# KiCad board ev18.kicad_pcb (continued)
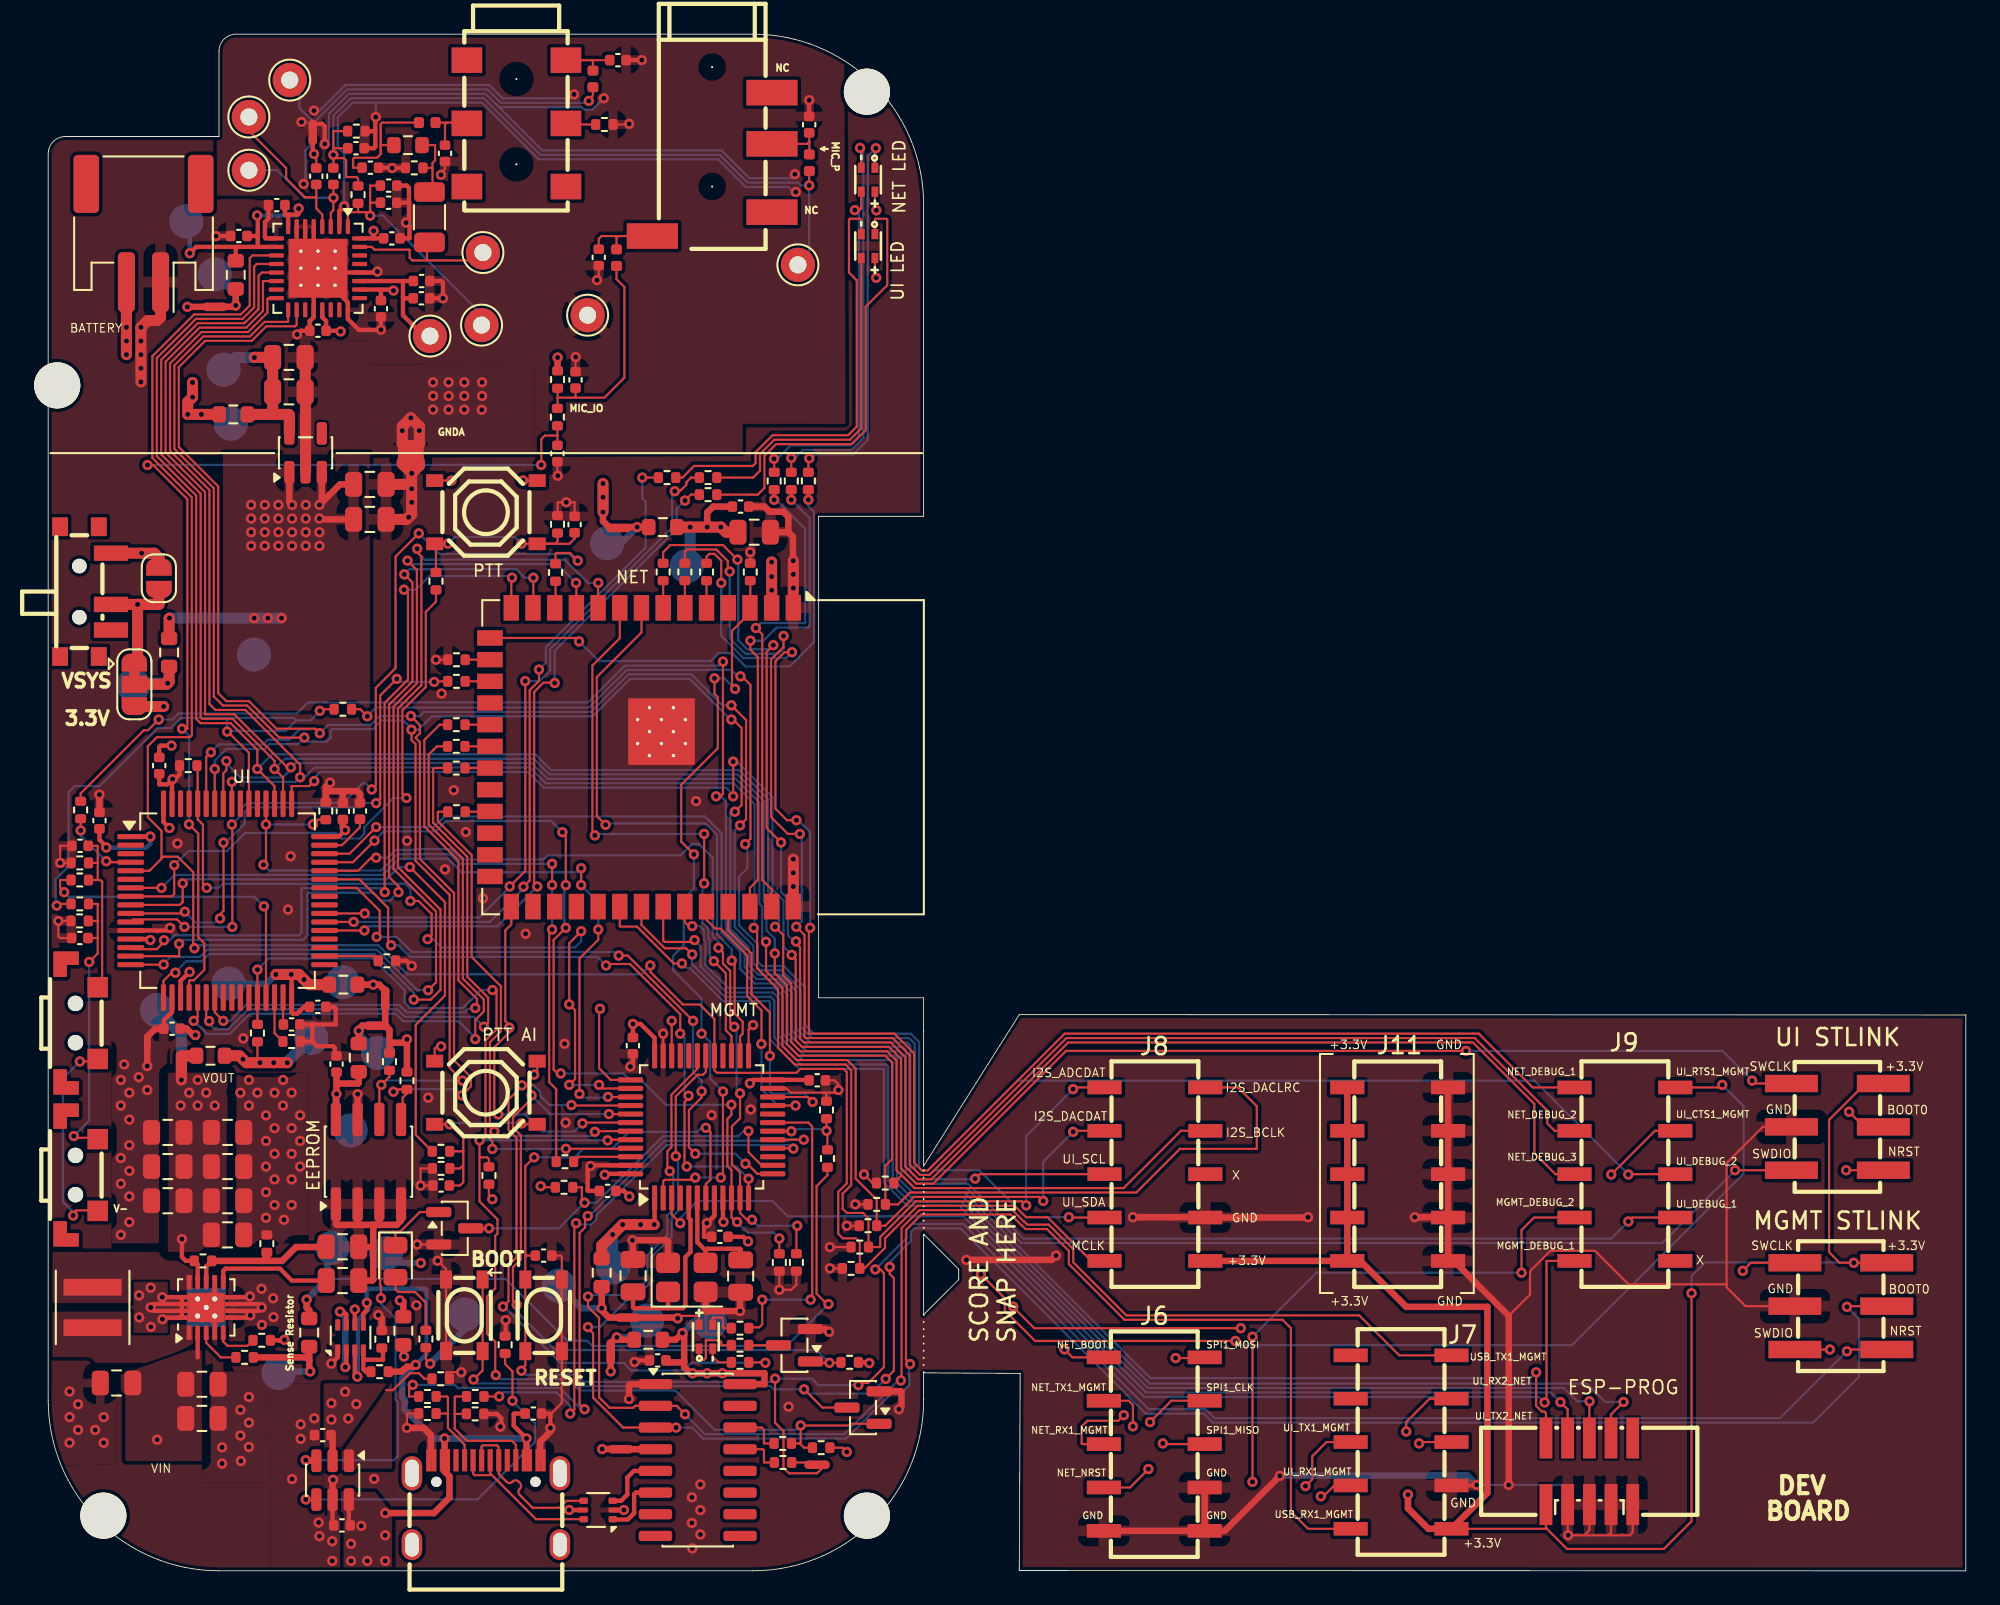
[diagram p0: board, top side]
## Routing (per net, layer and track width the routed paths; a pad name or vN(x,y) marks a point on that pad's centre or on a via; arc(x,y) is an arc through that point) (continued)
  Bottom w0.13: v1(21.17,41.22) 20.52,41.22 19.8,40.5 8.11,40.5 v1(7.87,40.27)
/PTT_BTN: length 33.1
  Top w0.127: R57.1 22.7,56.76 22.11,56.17 22.11,51.77 20.74,50.4 20.74,45.5 v1(20.97,45.26) ; v1(7.38,41.33) 7.38,39.64 7.24,39.5 U10.8
  Bottom w0.127: v1(20.97,45.26) 20.2,45.26 18.5,43.56 18.5,43.16 18.22,42.89 17.18,42.89 16.85,43.22 11.53,43.22 10.47,42.16 8.2,42.16 v1(7.38,41.33)
/RCC_OSC_IN: length 11.5
  Top w0.254: 36.23,15.38 34.28,15.38 34.24,15.43 C2.2 ; 36.23,15.38 37.15,15.38 37.3,15.53 37.3,18.38 37.6,18.68 37.6,20.56 37.5,20.66 U3.5 ; 36.23,15.38 36.29,15.44 Y1.1
/RCC_OSC_OUT: length 6.7
  Top w0.254: C3.2 40.54,18.83 40.5,18.86 38.58,18.86 38.49,18.77 ; 38.49,18.77 38,19.25 U3.6 ; 38.49,18.77 Y1.3
/SPI1_CLK: length 100.4
  Top w0.127: v1(64.5,8.71) 65.75,9.96 J6.9 ; v1(25,31.14) 25,32.26 25.5,32.76 25.5,33.46 24.27,34.69 24.27,41.71 22.28,43.71 22.28,47.81 22.57,48.11 22.58,48.11 22.76,48.29 R44.1 ; U10.21 8.75,32.44 v1(8.52,32.21)
  In2.Cu w0.127: v1(64.5,8.71) 64.5,10.85 53.19,22.16 50.61,22.16 49.7,23.07 49.7,30.02 49.54,30.17 44.67,30.17 43.71,31.14 43.71,33.5 43.28,33.93 28.26,33.93 25.48,31.14 v1(25,31.14)
  Bottom w0.127: v1(25,31.14) 25,31.21 24.02,32.19 20.78,32.19 20.34,32.63 11.81,32.63 10.63,31.46 9.28,31.46 v1(8.52,32.21)
/SPI1_MISO: length 97.9
  Top w0.127: R45.1 22.6,47.02 22.53,46.96 22.53,43.82 24.53,41.82 24.53,34.8 25.76,33.57 25.76,32.12 v1(25.5,31.87) ; v1(9.42,32.2) 9.25,32.37 U10.22 ; J6.8 65.29,7.42 v1(65.25,7.46)
  In2.Cu w0.127: v1(25.5,31.87) 25.5,31.94 27.75,34.19 43.77,34.19 43.97,34 43.97,31.24 44.78,30.43 49.75,30.43 49.95,30.23 49.95,23.18 50.71,22.42 53.3,22.42 65.25,10.46 v1(65.25,7.46)
  Bottom w0.127: v1(9.42,32.2) 9.42,32.04 9.75,31.71 10.52,31.71 11.7,32.89 20.44,32.89 20.89,32.45 24.92,32.45 v1(25.5,31.87)
/SPI1_MOSI: length 94.2
  Top w0.127: R46.1 22.92,49.56 22.02,48.66 22.02,43.6 24.02,41.61 24.02,34.58 25.1,33.5 25.1,33.06 v1(25,32.96) ; U10.23 9.75,32.71 v1(10.25,32.21) ; J6.10 67.66,12.46 v1(66,12.46)
  In2.Cu w0.127: v1(25,32.96) 26.16,32.96 27.64,34.45 44.15,34.45 44.23,34.37 44.23,31.35 44.89,30.69 50.02,30.69 50.21,30.5 50.21,23.28 50.82,22.68 53.49,22.68 63.71,12.46 v1(66,12.46)
  Bottom w0.127: v1(10.25,32.21) 10.66,32.21 11.59,33.15 20.55,33.15 20.99,32.71 24.38,32.71 24.59,32.91 24.95,32.91 v1(25,32.96)
/UD_N: length 3.8
  Top w0.254: U4.6 34.4,4.58 34.3,4.48 34.3,3.37 33.93,3.01 33.07,3.01 U2.1
/UD_P: length 3.8
  Top w0.254: U2.3 33.54,4.1 33.9,4.46 33.9,5.46 34.29,5.85 U4.5
/UI_BOOT0: length 154
  Top w0.127: U3.38 32.46,28.25 v1(32.25,28.46) ; v1(30.5,28.46) 30.84,28.81 30.84,32.84 v1(30.5,33.18) 30.5,36.76 31.2,37.46 v1(31.2,37.46) ; v1(21.2,39.23) 21.68,39.23 22.45,38.46 22.45,37.23 v1(22.21,37) ; v1(105.42,26.89) 106.31,26 J5.3
  Top w0.13: v1(9.28,40.01) 9.06,40.23 9.06,43.7 8.75,44.01 U10.60 8.75,47.12 R55.1
  In2.Cu w0.127: v1(30.5,33.18) 30.74,33.42 43.05,33.42 43.19,33.27 43.19,30.92 44.46,29.66 49.06,29.66 49.18,29.53 49.18,22.86 50.39,21.64 52.84,21.64 58.51,15.98 58.51,12.26 63.8,6.97 91.3,6.97 91.3,10.66 104.75,24.11 104.75,26.22 v1(105.42,26.89)
  Bottom w0.127: v1(21.2,39.23) 21.2,39.94 20.9,40.24 10.21,40.24 9.98,40.01 v1(9.28,40.01) ; v1(32.25,28.46) v1(30.5,28.46) ; v1(22.21,37) 22.52,37 23.02,36.51 30.83,36.51 31.2,36.87 v1(31.2,37.46)
/UI_BOOT1: length 37.4
  Top w0.127: v1(30.31,24.72) 34.05,24.72 U3.45 ; v1(12.25,35.21) U10.28 R41.2 ; v1(26.01,34.02) 26.22,34.02 26.24,34 26.24,31.71 25.6,31.06 25.6,25.56 26,25.16 v1(26,24.71)
  Bottom w0.127: v1(12.25,35.21) 12.9,35.86 19.01,35.86 20.87,34.01 20.87,33.29 21.2,32.96 22.4,32.96 24.28,32.96 25.33,34.02 v1(26.01,34.02) ; v1(26,24.71) 30.3,24.71 v1(30.31,24.72)
/UI_CTS1_MGMT: length 115
  Top w0.127: v1(39.24,36.49) 39.5,36.23 39.5,35.56 39.93,35.14 39.93,32.1 v1(40.16,31.86) ; v1(41.2,20.56) 40.9,20.56 40.5,20.96 U3.11 40.5,23.33 40.02,23.82 40.03,23.83 40.03,26.03 40.5,26.5 v1(40.5,27.96) ; J9.4 94.06,25.77 v1(91.5,23.21) ; v1(43.85,20.21) 43.8,20.16 R38.2 ; U10.44 18.14,41 18.91,41.77 v1(19.2,41.77) ; v1(56.49,15.47) 56.49,15.45 57.73,14.21 v1(69.81,14.21)
  In1.Cu w0.127: v1(56.49,15.47) 56.73,15.7 56.73,16.74 52.49,20.97 44.61,20.97 v1(43.85,20.21) ; v1(69.81,14.21) 88,14.21 91.5,17.71 v1(91.5,23.21)
  Bottom w0.127: v1(39.24,36.49) 39.24,36.83 38.9,37.16 38.9,41.76 38.08,42.58 37.71,42.58 37.03,41.9 29.23,41.9 28.99,41.67 24.26,41.67 24.25,41.68 24.16,41.68 23.57,42.28 21.4,42.28 21.35,42.23 20.34,42.23 19.88,41.77 v1(19.2,41.77) ; v1(43.85,20.21) 41.55,20.21 v1(41.2,20.56) ; v1(40.16,31.86) 40.3,31.73 40.3,28.16 v1(40.5,27.96)
/UI_CTS2_NET: length 44.9
  Top w0.127: v1(27.15,58.17) 27.11,58.13 U7.14
  Top w0.13: v1(6.78,36.93) 6.78,36.83 6.36,36.41 4.92,36.41 U10.14 ; v1(19.7,39.75) 19.7,39.75 19.7,40.89 19.69,40.89 19.69,50.83 21.06,52.2 21.06,57.23 v1(20.83,57.46)
  Bottom w0.13: v1(6.78,36.93) 7.1,36.93 7.39,37.22 14.67,37.22 14.68,37.22 14.83,37.37 14.83,39.98 19.47,39.98 v1(19.7,39.75) ; v1(20.83,57.46) 21.51,57.46 22.31,58.26 27.06,58.26 v1(27.15,58.17)
/UI_DEBUG_1: length 4.6
  Top w0.127: v1(3.4,41.56) 3.46,41.5 U10.4 ; v1(1.9,43.36) R74.2
  Bottom w0.127: v1(3.4,41.56) 1.9,43.06 v1(1.9,43.36)
/UI_LED_B: length 41.2
  Top w0.13: v1(27.93,52.11) 27.93,40.99 v1(27.02,40.08) ; v1(18.53,38.5) U10.39 ; v1(36.68,63.23) 36.73,63.28 37.03,63.28 37.35,63.61 37.35,63.76 37.63,64.03 R56.1
  Bottom w0.13: v1(27.02,40.08) 27.02,40.05 25.23,38.27 18.76,38.27 v1(18.53,38.5) ; v1(36.68,63.23) 36.53,63.08 36.53,61.13 29.39,53.99 29.39,52.74 28.76,52.11 v1(27.93,52.11)
/UI_LED_G: length 40.5
  Top w0.127: v1(34.78,64.03) R60.1 ; U10.38 17.87,38 v1(17.88,38.01) ; v1(28.73,52.79) 28.73,52.13 28.19,51.58 28.19,40.44 v1(27.82,40.07)
  Bottom w0.127: 17.88,38 v1(17.88,38.01) 25.85,38.01 27.82,39.98 v1(27.82,40.07) ; v1(34.78,64.03) 34.78,62.83 34.97,62.64 34.97,59.94 29.13,54.09 29.13,53.18 v1(28.73,52.79)
/UI_LED_R: length 41.5
  Top w0.127: R59.1 37.62,63.03 v1(37.28,62.69)
  Top w0.13: v1(28.63,40.08) 28.45,40.26 28.45,51.48 28.99,52.02 29.63,52.02 v1(29.65,52) ; U10.37 18.5,37.5 v1(18.51,37.51)
  Bottom w0.13: v1(18.51,37.51) 18.75,37.75 26.29,37.75 v1(28.63,40.08) ; 28.63,40.08 28.78,40.23 ; v1(37.28,62.69) 36.79,62.2 36.79,61.02 29.65,53.88 v1(29.65,52)
/UI_NRST: length 129.6
  Top w0.127: v1(31.2,40.16) v1(31.2,41.15) ; 31.1,27.72 31.1,27.72 v1(31.1,27.93) 31.1,35.86 32.2,36.96 v1(32.2,37.56) ; v1(32.77,27.76) 32.8,27.76 32.81,27.75 U3.39 ; v1(105.25,23.46) J5.1
  Top w0.13: v1(6.63,40) U10.7
  In1.Cu w0.127: v1(105.25,23.46) 104.76,23.96 51.99,23.96 51.49,23.45 51.14,23.45 50.99,23.6 50.99,25.69 43.95,32.72 33.47,32.72 32.77,32.03 v1(32.77,27.76)
  Bottom w0.127: v1(31.1,27.93) 31.31,27.72 32.77,27.72 32.77,27.72 v1(32.77,27.76) ; v1(32.2,37.56) 32.2,39.16 v1(31.2,40.16) ; v1(31.2,41.15) 30.96,40.92 24.2,40.92 23.4,41.71 21.38,41.71 21.38,41.71 20.97,41.71 20.97,41.71 20.55,41.71 19.6,40.76 7.39,40.76 v1(6.63,40)
/UI_READY: length 1.5
  Top w0.127: U7.17 R49.1
/UI_RTS1_MGMT: length 125.7
  Top w0.127: v1(69.5,13.46) 57.78,13.46 56,15.24 56,15.97 v1(54.6,17.36) ; J9.5 97.85,28.31 v1(98,28.46) ; v1(30.3,37.66) 29.59,36.95 29.59,29.36 29.82,29.13 v1(30.01,29.13) ; v1(39.99,27.3) 39.99,26.7 39.76,26.47 39.76,23.71 40,23.47 U3.10 40,20.69 40.26,20.44 v1(40.33,20.44) ; v1(19.1,42.76) 17.84,41.5 U10.45 ; v1(30.1,43.26) 30.3,43.06 v1(30.3,40.16) ; R39.2 v1(42.8,19.46)
  In1.Cu w0.127: v1(54.6,17.36) 54.6,18.5 52.39,20.71 45.04,20.71 43.8,19.46 v1(42.8,19.46)
  Bottom w0.127: v1(98,28.46) 99.24,27.22 99.24,23.26 89.2,13.21 69.75,13.21 v1(69.5,13.46) ; v1(30.3,37.66) 30.21,37.76 30.21,40.07 v1(30.3,40.16) ; v1(39.99,27.3) 39.98,27.29 36.17,27.29 34.8,28.66 34.15,28.66 33.68,29.13 v1(30.01,29.13) ; v1(30.1,43.26) 29.43,43.93 23.31,43.93 22.68,43.31 19.64,43.31 v1(19.1,42.76) ; v1(40.33,20.44) 40.33,20.43 40.95,19.81 42.45,19.81 v1(42.8,19.46)
/UI_RTS2_NET: length 48.8
  Top w0.127: v1(28.4,58.16) 28.4,56.42 U7.13 ; v1(7.67,36.73) 7.67,36 ; v1(20.51,39.75) 20.51,40.09 20.25,40.34
  Top w0.13: 20.25,40.34 19.96,40.64 19.96,41 19.96,41 19.96,50.72 21.32,52.09 21.32,57.89 v1(20.85,58.36) ; 7.67,36 U10.15
  Bottom w0.127: v1(28.4,58.16) 27.9,58.16 27.4,58.66 21.15,58.66 v1(20.85,58.36) ; v1(7.67,36.73) 7.9,36.96 14.9,36.96 15.18,37.23 15.18,39.72 19.04,39.72 19.21,39.56 19.21,39.54 19.5,39.25 20.01,39.25 v1(20.51,39.75)
/UI_RX1_MGMT: length 89
  Top w0.127: v1(20.07,36.64) 19.9,36.81 19.9,38.83 18.22,40.5 U10.43 ; v1(74.5,4.36) 74.6,4.46 74.75,4.46 75.29,5 J7.9 ; v1(37,31.46) 37,32.6 34.06,35.54 32.74,35.54 v1(32.66,35.46)
  Top w0.13: v1(37.38,23.68) 37.25,23.81 37.25,27.46 37.44,27.65 37.44,27.78 v1(37.49,27.83) ; U3.12 v1(41,22.96)
  In1.Cu w0.127: v1(41,22.96) 46.95,22.96 48.01,21.9 52.06,21.9 59.98,13.98 59.98,4.98 61.5,3.46 73.6,3.46 v1(74.5,4.36)
  Bottom w0.127: v1(37,31.46) 37.26,31.21 37.26,27.88 37.31,27.83 v1(37.49,27.83) ; v1(32.66,35.46) 32.15,35.96 21.18,35.96 20.5,36.64 v1(20.07,36.64)
  Bottom w0.13: v1(37.38,23.68) 40.28,23.68 40.28,23.68 v1(41,22.96)
/UI_RX2_NET: length 141.4
  Top w0.127: v1(79.5,8.16) 79.5,8.71 80.87,10.08 J7.4 ; v1(32.2,57.86) 32.19,57.85 U7.10
  Top w0.13: v1(7.44,35.03) 7.22,35.03 6.75,34.56 U10.17 ; v1(21.4,33.46) 22.39,33.46 22.97,34.03 22.97,38.73 20.48,41.22 20.48,50.51 21.85,51.88 21.85,59.41 21.6,59.66 v1(21.6,59.86)
  In2.Cu w0.127: v1(21.4,33.46) 22.69,33.46 23.94,34.71 44.26,34.71 44.48,34.48 44.48,31.46 45,30.95 50.13,30.95 50.47,30.61 50.47,23.39 50.93,22.93 53.6,22.93 54.06,22.48 68.62,22.48 79.5,11.6 v1(79.5,8.16)
  Bottom w0.127: v1(21.4,33.46) 21.43,33.49 21.43,33.81 19.12,36.12 9.42,36.12 9,35.71 8.08,35.71 7.44,35.07 v1(7.44,35.03)
  Bottom w0.13: v1(32.2,57.86) 31.6,57.86 30.24,59.22 22.04,59.22 21.6,59.66 v1(21.6,59.86)
/UI_SCL1: length 148.8
  Top w0.127: v1(54.26,22.97) 54.53,23.23 J8.8 ; v1(40.2,44.46) 40.59,44.86 40.59,49.36 40.09,49.86 v1(39.99,49.86) ; v1(9.75,46.96) U10.58 ; R16.2 19.98,28.94 v1(19.5,28.46) ; U6.17 14.04,73.17 14.03,73.15 12.66,73.15 11.81,72.3 9.08,72.3 7.39,70.61 7.39,65.71 9.7,63.41 9.7,51.22 10.23,50.68 11.65,50.68 13.52,48.8 v1(15,48.8) ; v1(24.25,28.71) 23.5,29.46 23.5,39.59 23.44,39.66 23.43,39.66 22.99,40.1 22.99,40.1 21.5,41.59 21.5,48.43 21.27,48.66 v1(21.27,49.26)
  Top w0.13: 19.39,26.44 19.39,28.35 v1(19.5,28.46)
  Bottom w0.127: v1(39.99,49.86) 39.94,49.86 37.55,52.25 34.07,52.25 31.87,50.05 22.45,50.05 21.67,49.26 v1(21.27,49.26) 21.27,49.33 20.79,49.8 19.5,49.8 19,49.3 16.61,49.3 16.54,49.22 16.54,48.8 16.3,48.57 15.23,48.57 v1(15,48.8) 14.61,48.42 12.96,48.42 12.68,48.15 10.45,48.15 9.75,47.44 v1(9.75,46.96) ; v1(40.2,44.46) 40,44.46 39.93,44.4 39.93,37.59 41.03,36.49 41.03,35.47 41.58,34.91 42.84,34.91 43.8,33.95 43.8,31.75 44.61,30.95 50.29,30.95 50.47,30.76 50.47,23.39 50.93,22.93 54.23,22.93 v1(54.26,22.97) ; v1(24.25,28.71) 19.75,28.71 v1(19.5,28.46)
/UI_SDA1: length 152.8
  Top w0.127: v1(15.9,49.06) 15.64,49.32 13.37,49.32 11.79,50.9 ; U10.59 9.25,47.67 v1(9.52,47.94) ; R19.2 20.27,28.2 20.21,28.14 v1(20.21,28.06) ; 11.79,50.9 11.75,50.94 ; 11.79,50.9 11.75,50.94 ; J8.9 59.77,20.69 v1(59.75,20.71) ; 11.75,50.94 10.42,50.94 9.95,51.41 9.95,63.51 7.65,65.82 7.65,70.5 9.19,72.04 11.92,72.04 12.77,72.89 14.45,72.89 14.54,72.98 U6.18 ; v1(40.5,43.66) 40.85,44.02 40.85,49.83 v1(39.99,50.69) ; v1(24.22,27.85) 24.74,28.37 24.74,28.92 23.76,29.9 23.76,39.7 23.54,39.92 21.76,41.7 21.76,48.53 21.52,48.77 21.52,48.82 21.76,49.06 21.76,49.47 21.76,49.53 v1(21.23,50.06)
  Top w0.13: R19.2 21,27.96 20.75,27.71 20.75,26.53 20.66,26.44
  Bottom w0.127: 15.74,48.95 15.79,48.95 v1(15.9,49.06) ; v1(20.21,28.06) 20.36,28.21 23.85,28.21 v1(24.22,27.85) ; v1(40.5,43.66) 40.19,43.35 40.19,37.7 41.29,36.6 41.29,35.57 41.69,35.17 42.95,35.17 44.06,34.06 44.06,31.86 44.71,31.21 50.39,31.21 50.73,30.87 50.73,23.5 51.03,23.19 51.59,23.19 51.86,23.46 54.06,23.46 54.47,23.46 54.47,23.46 54.49,23.46 57.24,20.71 v1(59.75,20.71) ; 15.39,49.3 14.73,49.3 14.12,48.68 12.85,48.68 12.57,48.4 9.98,48.4 v1(9.52,47.94) ; v1(15.9,49.06) 15.66,49.3 14.9,49.3 ; v1(15.9,49.06) 16.39,49.55 18.89,49.55 19.4,50.06 v1(21.23,50.06) 21.75,50.06 22,50.31 31.76,50.31 33.96,52.51 37.66,52.51 39.47,50.69 v1(39.99,50.69)
/UI_Sense: length 3.6
  Top w0.381: NT8.2 19.38,34.33 v1(19.03,34.33) R78.1
  Bottom w0.381: TP16.1 17.38,34.33 v1(19.03,34.33)
/UI_STAT: length 42.6
  Top w0.127: R54.2 15.78,43.99 v1(15.5,43.71) ; v1(29.5,40.16) v1(29.5,41.41) ; 16.49,44 16.5,43.99 ; R5.2 29.74,28.21 29.33,28.62 29.33,37.39 v1(29.5,37.56) ; v1(12.6,41.36) 12.75,41.51 v1(12.75,43.71) U10.52
  Bottom w0.127: v1(15.5,43.71) v1(12.75,43.71) ; v1(29.5,37.56) v1(29.5,40.16) ; v1(12.6,41.36) 12.94,41.02 19.49,41.02 20.44,41.97 20.86,41.97 20.86,41.97 21.49,41.97 21.49,41.97 23.51,41.97 24.07,41.41 v1(29.5,41.41)
/UI_SWCLK: length 117.5
  Top w0.127: v1(40.1,47.4) v1(40.1,45.36) ; U10.49 14.25,45.96 15.29,45.96 v1(15.58,46.25) ; v1(99.75,28.71) 99.92,28.54 J5.6 ; v1(83,30.45) 59.59,30.45 51.81,22.68 50.82,22.68 49.92,23.58 49.92,29.99 49.21,30.69 44.13,30.69 43.76,31.07 43.76,35.84 v1(43.52,36.08)
  Bottom w0.127: v1(40.1,45.36) 40.1,45.46 39.69,45.87 29.02,45.87 28.1,46.79 18,46.79 18,46.79 15.93,46.79 15.58,46.44 v1(15.58,46.25) ; v1(99.75,28.71) 98.01,30.45 v1(83,30.45) ; v1(40.1,47.4) 40.32,47.4 40.55,47.16 40.56,47.16 42.41,45.32 42.41,39.89 43.04,39.26 43.04,37.93 43.04,37.93 43.04,37.52 43.04,37.52 43.04,36.56 v1(43.52,36.08)
/UI_SWDIO: length 108.4
  Top w0.127: U10.46 17.64,42 19.2,43.56 v1(19.2,43.57) ; v1(98.75,23.46) J5.2
  Bottom w0.127: v1(19.2,43.57) 19.2,43.56 22.58,43.56 23.2,44.19 38.44,44.19 39.42,43.21 39.42,37.38 40.51,36.28 40.51,35.25 41.37,34.4 42.63,34.4 43.28,33.74 43.28,31.54 44.39,30.43 49.78,30.43 49.95,30.26 49.95,23.18 50.71,22.42 53.75,22.42 56.96,19.21 94.49,19.21 v1(98.75,23.46)
/UI_TX1_MGMT: length 90.6
  Top w0.127: J7.8 74.83,7.54 74,6.71 74,5.36 v1(73.6,4.96) ; v1(38.25,28.08) 38.25,27.72 37.51,26.98 37.51,24.8 v1(37.88,24.43) ; U10.42 18.06,40 19.41,38.66 19.41,37.31 v1(19.23,37.13) ; v1(33.4,36.04) 33.93,36.04 v1(37.75,32.21)
  Top w0.13: U3.13 41.51,23.25 41.02,23.75 40.92,23.75 v1(40.82,23.85)
  In1.Cu w0.127: v1(73.6,4.96) 72.6,3.96 61.39,3.96 60.24,5.11 60.24,14.11 52.19,22.16 48.11,22.16 46.73,23.54 41.38,23.54 41.15,23.77 40.89,23.77 v1(40.82,23.85)
  Bottom w0.127: v1(33.4,36.04) 33.19,36.25 21.29,36.25 20.41,37.13 v1(19.23,37.13) ; v1(37.88,24.43) 40.23,24.43 v1(40.82,23.85) ; v1(37.75,32.21) 37.75,29.21 38.25,28.71 v1(38.25,28.08)
/UI_TX2_NET: length 137.6
  Top w0.127: v1(6.75,35.51) 6.57,35.51 6.57,35.5 U10.16 ; v1(30.9,57.86) 30.92,57.84 U7.11 ; v1(80.25,7.46) 80.33,7.54 J7.3 ; 20.22,41.11 22.71,38.62 22.71,34.47 v1(22.24,34.01)
  Top w0.13: 20.22,41.11 20.22,50.62 21.59,51.98 21.59,58.61 v1(21.03,59.17)
  In2.Cu w0.127: v1(80.25,7.46) 80.25,11.21 68,23.46 51.52,23.46 51.5,23.45 51.14,23.45 50.73,23.86 50.73,30.72 50.24,31.21 45.1,31.21 44.74,31.57 44.74,34.59 44.36,34.96 23.2,34.96 v1(22.24,34.01)
  Bottom w0.127: v1(30.9,57.86) 29.8,58.96 21.23,58.96 v1(21.03,59.17) ; v1(22.24,34.01) 21.6,34.01 19.23,36.38 9.31,36.38 8.89,35.96 7.16,35.96 6.75,35.56 v1(6.75,35.51)
/USB_CC1_DETECT: length 33.3
  Top w0.127: v1(30.56,9.21) 30.8,9.46 30.8,20.27 v1(30.9,20.36) ; 42.42,24.76 U3.16 43.41,24.75 43.43,24.73 v1(43.62,24.73) ; R9.1 v1(26.4,10.21)
  Bottom w0.127: v1(30.56,9.21) 30.56,9.65 29.76,10.45 26.64,10.45 v1(26.4,10.21) ; v1(43.62,24.73) 43.42,24.93 36.2,24.93 32.08,20.82 32.08,20.58 31.79,20.29 30.97,20.29 v1(30.9,20.36)
/USB_CC2_DETECT: length 40
  Top w0.127: v1(44.23,25.25) U3.17 ; v1(31.59,20.78) 31.43,20.62 31.43,20.11 31.11,19.79 31.11,9.76 v1(31.4,9.46) ; R10.1 21.13,10.21 21.13,10.72 21.22,10.81 21.25,10.81 v1(21.34,10.9)
  Bottom w0.127: v1(21.34,10.9) 21.68,10.9 21.68,10.89 23.8,10.89 23.98,10.71 29.95,10.71 31.2,9.46 v1(31.4,9.46) ; v1(31.59,20.78) 31.79,20.98 31.88,20.98 36.1,25.19 43.32,25.19 43.38,25.25 v1(44.23,25.25)
/USB_DTR: length 2.7
  Top w0.127: R40.2 41.9,6.35
  Top w0.13: 41.9,6.35 41.9,7.06 41.84,7.12 U4.13
/USB_RTS: length 2.8
  Top w0.13: U4.14 41.77,8.39 41.9,8.26 41.9,7.46 R51.1
/USB_RX1_MGMT: length 94.7
  Top w0.127: v1(31.6,14.28) 31.6,14.21 31.9,13.91 31.9,10.14 ; v1(36.74,24.28) 36.74,27.78 38.02,29.06 38.34,29.06 38.5,29.21 U3.30 ; v1(50.45,12.11) 50.22,12.35 50.22,19.97 51.11,20.87 56.34,20.87 57,20.21 57.01,20.21 57.21,20.02 58.46,20.02 59.75,18.73 59.75,17.96 63.01,14.71 72.26,14.71 72.75,14.21 72.75,3.46 73.75,2.46 J7.10
  Top w0.13: 31.9,10.14 33.65,8.39 U4.3 v1(36.76,8.39)
  Bottom w0.127: v1(50.45,12.11) 50.4,12.06 50.4,11.36 50.41,11.35 50.41,10.94 50.4,10.93 50.4,10.86 49.94,10.4 49.36,10.4 46.71,7.75 38.34,7.75 37.69,8.39 v1(36.76,8.39) ; v1(31.6,14.28) 32.29,14.28 33.91,15.9 34.27,15.9 35.34,16.96 35.34,18.39 36.5,19.56 36.5,20.7 36.88,21.08 36.88,24.14 v1(36.74,24.28)
/USB_TX1_MGMT: length 90.2
  Top w0.127: 32.25,10.16 32.25,14.81 31.6,15.46 v1(31.6,16.06) ; v1(37.28,9.17) 36.89,9.56 36.89,9.58 ; J7.5 79.09,12.62 76.75,14.96 63.11,14.96 60.01,18.07 60.01,18.84 58.57,20.28 57.31,20.28 57.12,20.47 57.11,20.47 56.45,21.13 51.01,21.13 49.96,20.08 49.96,11.19 v1(49.92,11.15) ; v1(36.39,23.41) 36.25,23.55 36.25,24.58 36.48,24.81 36.48,27.89 38,29.4 U3.31
  Top w0.13: 32.25,10.16 32.86,9.55 34.25,9.55 34.36,9.66 U4.2 36.8,9.66 36.89,9.58
  Bottom w0.127: v1(37.28,9.17) 38.45,8 46.61,8 49.74,11.13 49.9,11.13 v1(49.92,11.15) ; v1(36.39,23.41) 36.58,23.21 36.58,21.15 36.24,20.81 36.24,19.66 35.08,18.5 35.08,17.07 34.17,16.16 31.69,16.16 v1(31.6,16.06)
/VOLUME+: length 18.9
  Top w0.127: R17.1 0.7,40.46 0.7,40 0.94,39.76 v1(0.94,39.75) ; U10.29 12.75,38.8 v1(12.63,38.92)
  Bottom w0.127: v1(0.94,39.75) 1.2,39.48 12.07,39.48 v1(12.63,38.92)
/VOLUME-: length 35.5
  Top w0.127: R73.2 16.11,50.46 16.02,50.37 v1(15.9,50.37) ; R24.1 0.7,39.06 0.7,39.06 0.6,38.96 v1(0.5,38.96) ; v1(10.47,49.15) 10.51,49.15 11.75,47.91 U10.54
  Bottom w0.127: v1(0.5,38.96) 0.44,39.02 0.44,40.51 1.19,41.26 1.19,45.6 1.55,45.96 3.01,45.96 6.42,49.37 7.19,49.37 7.78,49.96 10.52,49.96 ; 10.52,49.96 14.37,49.96 14.52,49.81 ; 10.52,49.96 10.47,49.92 v1(10.47,49.15) 10.51,49.2 13.9,49.2 14.52,49.81 ; v1(15.9,50.37) 15.58,50.05 15.58,50.05 15.35,49.81 14.52,49.81
/WM8960_Sense: length 4.2
  Top w0.381: NT9.2 10.9,74.03 v1(10.98,74.11) ; v1(10.98,74.11) R63.1 ; v1(10.98,74.11) 10.98,74
  Bottom w0.381: TP14.1 10.98,74.7 v1(10.98,74.11)
VSYS: length 111.5
  Top w0.127: R12.2 45.62,23.17 44.98,22.54 44.98,16.23 45.59,15.62 v1(45.68,15.62)
  Top w0.381: R14.1 15.28,15.27 15.13,15.42 v1(15.13,15.88)
  Top w0.65: v1(5.23,56.6) SW1.2 ; v1(5.23,56.6) 5.23,53.41 JP3.1 ; v1(5.23,56.6) 5.44,56.6 ; v1(5.23,56.6) 6.48,56.6 JP1.2
  In2.Cu w0.381: v1(15.13,15.88) 15.13,15.56 14.53,14.96 14.53,13.35 13.64,12.46 4.01,12.46 3.5,12.98 3.5,30.02 5.12,31.64 5.12,56.49 v1(5.23,56.6)
  Bottom w0.127: v1(45.68,15.62) 43.24,13.18 31.85,13.18 31.55,13.48 30.39,13.48 26.77,17.1 16.35,17.1
  Bottom w0.381: v1(15.13,15.88) 16.35,17.1 16.35,18.63 TP25.1
Net-(C34-Pad2): length 4.1
  Top w0.127: 22.5,80.76 22.5,82.13 ; 22.5,82.13 22.46,82.17 R32.2 ; 22.5,82.13 22.5,82.46 22.65,82.61 22.65,83.5 R83.1
Net-(C46-Pad1): length 12.4
  Top w0.127: R57.2 22.7,60.08 SW4.3
  Top w0.13: SW4.4 30.52,60.15 30.81,60.45 C46.1 ; SW4.4 27.71,60.15 v1(27.7,60.16) ; SW4.4 29.68,60.15 29.82,60.29 R61.2 ; v1(23.4,60.16) 22.64,60.16 SW4.3
  Bottom w0.13: v1(23.4,60.16) 23.79,60.55 27.31,60.55 v1(27.7,60.16)
Net-(C47-Pad1): length 12.5
  Top w0.127: SW5.4 27.75,26.15 v1(27.7,26.21) ; SW5.3 v1(23.5,26.15) ; C47.1 24.11,22.57 24.3,22.76 24.3,23.46
  Top w0.13: 24.3,24.56 24.3,25.35 v1(23.5,26.15) ; 24.3,24.56 24.29,24.57 R58.2 ; 24.3,24.56 24.3,23.76 ; R62.2 24.11,23.57 24.3,23.76 ; 22.5,26.03 SW5.3 ; 24.3,23.76 24.3,23.46
  Bottom w0.127: v1(23.5,26.15) 23.59,26.24 27.67,26.24
Net-(C49-Pad1): length 10.1
  Top w0.127: 2.9,41.46 2.9,40.46 ; 2.9,41.46 2.9,42.46 2.9,42.46 C49.1 ; 2.9,41.46 R23.2 ; 2.9,40.46 3.05,40.46 3.16,40.36 3.16,34.52 2.9,34.26 ; 2.9,40.46 R17.2
Net-(C50-Pad1): length 17.3
  Top w0.127: 2.9,37.06 2.9,36.16 v1(2.4,35.66) ; 2.9,37.06 2.9,38.06 ; 2.9,37.06 C50.1 ; R37.2 2.9,38.06 ; 2.9,38.06 2.9,39.06 R24.2 ; 2.9,25.36 1.6,25.36 v1(1.5,25.46)
  Bottom w0.127: v1(1.5,25.46) 2.4,26.36 v1(2.4,35.66)
Net-(C58-Pad1): length 9.4
  Top w0.127: 19.47,84.74 19.47,82.98 19.47,83.35 ; 19.47,84.74 19.55,84.82 L1.1 ; 19.47,84.74 19.47,83.5 ; 19.47,83.5 19.47,83.35 ; 19.47,83.5 R83.2 ; 19.47,83.35 19.47,83.26
  Top w0.13: C58.1 17.87,82.18 17.85,82.2 17.85,82.69 17.92,82.76 19.25,82.76 19.47,82.98
Net-(C63-Pad1): length 12.9
  Top w0.127: C63.1 30.87,68.75 30.91,68.71 ; 29.82,68.71 R36.1 ; 29.82,68.71 29.82,68.08 ; 29.82,68.71 30.91,68.71 ; 30.91,68.71 32.56,68.71 33.73,69.88 33.73,75.19 33.27,75.65 L5.2
Net-(CN2-Pad4): length 1.9
  Top w0.127: 30.16,84.78 30.22,84.71 R84.1
Net-(D1-A): length 4.4
  Top w0.127: R11.2 22.11,15.7
  Top w0.13: 22.11,15.7 21.48,16.33 20.48,16.33 20.33,16.48 D1.2
Net-(D1-K): length 24.4
  Top w0.127: v1(19.48,15.97) 19.48,16.68 19.43,16.73 19.43,19.81 19.48,19.86 20.18,19.86 ; 20.18,19.86 20.33,19.71 D1.1 ; 20.18,19.86 20.6,19.86 21.75,21.01 Q2.1
  Top w0.381: v1(15.08,6.48) 15.11,6.45 U1.3
  Bottom w0.127: v1(19.48,15.97) 19.48,15.64 20.33,14.79 20.33,10.03 20.48,9.88 20.48,6.73 20.23,6.48 v1(15.08,6.48)
Net-(D2-BK): length 21
  Top w0.127: R33.2 42.5,65.12 v1(42.49,65.13)
  Top w0.13: v1(47.22,79.7) 47.48,79.7 47.6,79.81 47.6,79.82 D2.3
  Bottom w0.13: v1(42.49,65.13) 42.67,65.13 43.45,65.91 46.91,65.91 47.46,66.46 47.46,79.46 v1(47.22,79.7)
Net-(D2-GK): length 23.8
  Top w0.127: R35.2 v1(43.5,65.18)
  Top w0.13: D2.4 47.6,83.28 v1(47.53,83.34)
  Bottom w0.13: v1(43.5,65.18) 43.72,65.18 44.19,65.65 47.01,65.65 47.72,66.35 47.72,83.15 v1(47.53,83.34)
Net-(D2-RK): length 23.2
  Top w0.127: v1(44.55,65.16) 44.5,65.11 44.5,64.97 44.5,64.97 R34.2
  Top w0.13: v1(48.45,83.32) 48.4,83.27 D2.1
  Bottom w0.13: v1(48.45,83.32) 47.98,82.85 47.98,79.68 47.98,79.67 47.98,66.25 47.12,65.39 44.93,65.39 44.69,65.16 v1(44.55,65.16)
Net-(D3-BK): length 20.2
  Top w0.13: D3.3 47.6,66.91 46.94,66.25 42.51,66.25 41.67,65.41 41.67,64.43 41.27,64.03 R56.2
Net-(D3-GK): length 26.1
  Top w0.13: D3.4 47.6,79.13 47.54,79.19 46.94,79.19 46.88,79.13 46.88,76.04 47.34,75.58 47.34,67.02 46.83,66.51 42.4,66.51 41.41,65.52 41.41,64.87 41.25,64.71 37.81,64.71 37.13,64.03 R60.2
Net-(D3-RK): length 25.9
  Top w0.127: D3.1 48.4,79.14 48.45,79.19 49.07,79.19 49.12,79.14 49.12,75.3 47.86,74.04 47.86,66.8 47.04,65.99 42.62,65.99 41.93,65.3 41.93,63.42 41.54,63.03 41.13,63.03
  Top w0.13: 41.13,63.03 R59.2
Net-(D5-BK): length 2.1
  Top w0.127: D5.3 38.9,14.83 39.44,14.83 39.5,14.76 39.5,14.26 39.55,14.21 R15.1
Net-(D5-GK): length 1.7
  Top w0.127: R21.1 39.23,12.21 38.9,12.54 D5.4
Net-(D5-RK): length 3.8
  Top w0.13: R20.1 39.45,13.21 39.4,13.26 39.4,13.4 39.29,13.51 38.51,13.51 38.5,13.5 38.5,12.46 38.4,12.36 38.2,12.36 38.1,12.46 D5.1
Net-(J1-CC1): length 5.5
  Top w0.127: J1.A5 24.38,7.39 23.4,8.36 23.4,9.16 ; 23.4,9.16 23.4,10.16 23.35,10.21 R10.2 ; 23.4,9.16 23.35,9.21 R8.2
Net-(J1-CC2): length 8.1
  Top w0.127: R7.2 23.83,9.19 23.8,9.16 ; 23.8,9.16 23.8,10.16 23.85,10.21 R9.2 ; 23.8,9.16 23.8,8.33 24.52,7.61 27.15,7.61 27.38,7.39 J1.B5
  Top w0.254: 24.48,10.21 R9.2
Net-(J2-Pin_2): length 93.7
  Top w0.254: v1(17.95,15.31) U9.6
  Top w0.381: v1(20.59,15.84) 20.7,15.84 20.79,15.75 R65.2
  Top w0.65: v1(4.58,71.23) J2.2
  In2.Cu w0.381: v1(20.59,15.84) 20.27,16.16 20.27,16.49 ; v1(4.58,72.83) v1(4.58,72.03) v1(4.58,71.23) 4.1,70.75 4.1,32.06 2.48,30.44 2.48,12.55 3.59,11.44 14.22,11.44 17.95,15.17 v1(17.95,15.31) 17.95,15.87 18.66,16.59 20.36,16.59 20.27,16.49 ; 20.27,16.49 v1(21.81,18.03)
  Bottom w0.381: TP32.1 20.34,18.03 v1(21.81,18.03)
Net-(J9-Pin_2): length 127.4
  Top w0.127: R74.1 1.9,45.53 5.6,49.23 5.84,49.23 v1(6.47,49.86) ; v1(39.5,53.26) 39.5,45.51 39.36,45.36 v1(39.1,45.36) ; v1(92.5,20.46) 92.73,20.69 J9.2
  Bottom w0.127: v1(39.1,45.36) 39.38,45.36 39.67,45.07 39.67,37.48 40.77,36.39 40.77,35.36 41.47,34.65 42.73,34.65 43.54,33.85 43.54,31.65 44.5,30.69 50.02,30.69 50.21,30.5 50.21,23.28 50.82,22.68 53.86,22.68 57.07,19.46 91.5,19.46 v1(92.5,20.46) ; v1(39.5,53.26) 39.26,53.02 33.75,53.02 31.59,50.86 15.21,50.86 14.56,50.22 7.64,50.22 7.28,49.86 v1(6.47,49.86)
Net-(J9-Pin_3): length 110.9
  Top w0.127: v1(18.68,50.05) 18.27,50.46 R73.1 ; J9.3 92.52,23.23 v1(92.5,23.21) ; v1(40.8,42.56) 41.11,42.87 41.11,51.89 40.61,52.39 v1(40.53,52.39)
  Bottom w0.127: v1(18.68,50.05) 19.2,50.56 31.66,50.56 33.86,52.76 40,52.76 40.37,52.39 v1(40.53,52.39) ; v1(92.5,23.21) 87.01,28.71 56.74,28.71 51.49,23.45 51.14,23.45 50.99,23.6 50.99,30.98 50.5,31.46 44.82,31.46 44.32,31.97 44.32,34.17 43.05,35.43 41.8,35.43 41.54,35.68 41.54,36.71 40.45,37.8 40.45,40.66 40.92,41.14 40.92,42.44 v1(40.8,42.56)
Net-(J9-Pin_6): length 91.5
  Top w0.127: v1(43.54,53.81) 43.1,53.81 42.57,53.27 42.57,44.64 43.25,43.96 v1(43.8,43.96) ; v1(44.6,37.66) 44.53,37.59 44.53,31.46 49.53,31.46 50.69,30.31 50.69,23.9 51.14,23.45 51.49,23.45 59.5,31.46 82.58,31.46 82.58,31.46 83.42,31.46 83.42,31.46 83.75,31.46 86.9,28.31 J9.6 ; v1(39.4,57.86) 39.4,59.16 39,59.56 38.7,59.56 38.54,59.4 R70.2
  Bottom w0.127: v1(44.6,37.66) 44.6,43.26 43.9,43.96 v1(43.8,43.96) ; v1(39.4,57.86) 39.4,54.76 40.7,53.46 43.2,53.46 v1(43.54,53.81)
Net-(J9-Pin_7): length 95.9
  Top w0.127: v1(43.05,54.75) 43.05,54.11 42.32,53.38 42.32,44.15 43.3,43.16 v1(44,43.16) ; v1(39.89,58.53) 39.78,58.64 39.78,59.15 39.11,59.82 37.4,59.82 37.27,59.69 R71.2 ; J9.7 88.19,25.77 87.75,26.21 87.75,26.96 83.51,31.21 83.31,31.21 83.31,31.21 82.69,31.21 82.69,31.21 59.61,31.21 51.59,23.19 51.03,23.19 50.43,23.79 50.43,29.86 50.43,30.2 49.43,31.21 44.35,31.21 44.27,31.28 44.27,37.24 v1(43.79,37.72)
  Bottom w0.127: v1(43.05,54.75) 43.05,54.01 42.76,53.72 40.81,53.72 39.89,54.63 39.89,57.66 39.89,57.66 39.89,58.07 39.89,58.07 v1(39.89,58.53) ; v1(44,43.16) 44.11,43.05 44.11,38.04 v1(43.79,37.72)
Net-(J9-Pin_8): length 97.4
  Top w0.127: v1(40.35,59.23) 39.49,60.08 36.42,60.08 36,59.66 R72.2 ; J9.8 88.23,23.23 87,24.46 87,27.35 83.4,30.95 83.21,30.95 83.2,30.95 82.8,30.95 82.79,30.95 59.71,30.95 51.7,22.93 50.93,22.93 50.17,23.69 50.17,29.86 50.17,30.09 49.32,30.95 44.24,30.95 44.01,31.17 44.01,36.52 43.78,36.75 v1(43.78,36.86) ; v1(42.9,42.66) 42.06,43.51 42.06,53.82 v1(42.45,54.22)
  Bottom w0.127: v1(43.78,36.86) 43.67,36.86 43.3,37.23 43.3,39.36 42.9,39.76 v1(42.9,42.66) ; v1(42.45,54.22) 42.45,54.21 42.22,53.98 40.91,53.98 40.4,54.49 40.4,59.17 v1(40.35,59.23)
Net-(JP1-A): length 72.7
  Top w0.254: U9.7 17.45,15.01 17.28,15.18 v1(17.08,15.18) ; v1(17.39,11.93) 17.45,11.99 U9.2
  Top w0.65: SW1.1 v1(5.47,59.6) 6.21,59.6 6.48,59.33 JP1.1 6.47,58.77 6.31,58.77
  In2.Cu w0.381: v1(17.08,15.18) 13.85,11.95 3.8,11.95 2.99,12.76 2.99,30.23 4.61,31.85 4.61,58.75 v1(5.47,59.6)
  Bottom w0.381: v1(17.39,11.93) 17.39,14.87 v1(17.08,15.18)
Net-(JP3-C): length 5
  Top w0.65: R2.1 7.08,52.07 v1(6.99,51.99) 6.93,51.92 JP3.2
  Bottom w0.65: TP29.1 5.09,51.99 v1(6.99,51.99)
Net-(NT3-Pad1): length 1
  Top w0.127: R40.1 44.37,6.35 NT3.1
Net-(Q1-D): length 1.7
  Top w0.127: Q1.3 R20.2
Net-(Q3-G): length 33.6
  Top w0.127: Q3.1 47.04,8.61 46.94,8.51 v1(44.05,8.51) 44.05,7.51 44,7.46 ; R75.1 44.25,7.21 44,7.46 ; v1(24.9,11.21) 25.43,11.73 SW2.3 SW2.4 ; 44,7.46 R51.2
  Bottom w0.127: v1(44.05,8.51) 43.8,8.26 39.01,8.26 38.12,9.15 36.72,10.56 31.11,10.56 30.69,10.97 25.14,10.97 v1(24.9,11.21)
Net-(U1-ISET): length 21.4
  Top w0.127: v1(27.18,9.96) 27.18,11.68 26.75,12.11 26.75,12.7 26.78,12.73 ; v1(15.08,4.18) 15.09,4.17 U1.4
  Bottom w0.127: v1(15.08,4.18) 25.13,4.18 28.49,7.55 28.49,8.65 v1(27.18,9.96)
Net-(U1-TS): length 3.2
  Top w0.127: R6.1 22.02,11.25 21.7,11.57 21.17,11.57 20.18,10.58 19.78,10.58
Net-(U3-PB7): length 29.4
  Top w0.127: U3.43 32.04,25.75 v1(32,25.71) ; R4.1 22.84,44.46 22.81,44.43 22.81,43.91 24.79,41.93 24.79,35.95 26.5,34.24 26.5,31.6 25.86,30.96 25.86,26 v1(26.12,25.74)
  Bottom w0.127: v1(26.12,25.74) 26.39,25.47 31.76,25.47 v1(32,25.71)
